# Altium PCB VAMoS Rev D.PcbDoc (part 4 of 4)
Units mil, origin at the board's own origin, x right, y up, seen from the top; angles counter-clockwise.
Board outline 3123.48 x 5025.48 mil, 4 copper layers (Top Signal Layer, Power Plane, Ground Plane, Bottom Signal Layer), stack 61.2 mil thick; 294 components, 124 nets, 789 pads, 1205 vias.
Unrouted connection lines stored in the file: 1.
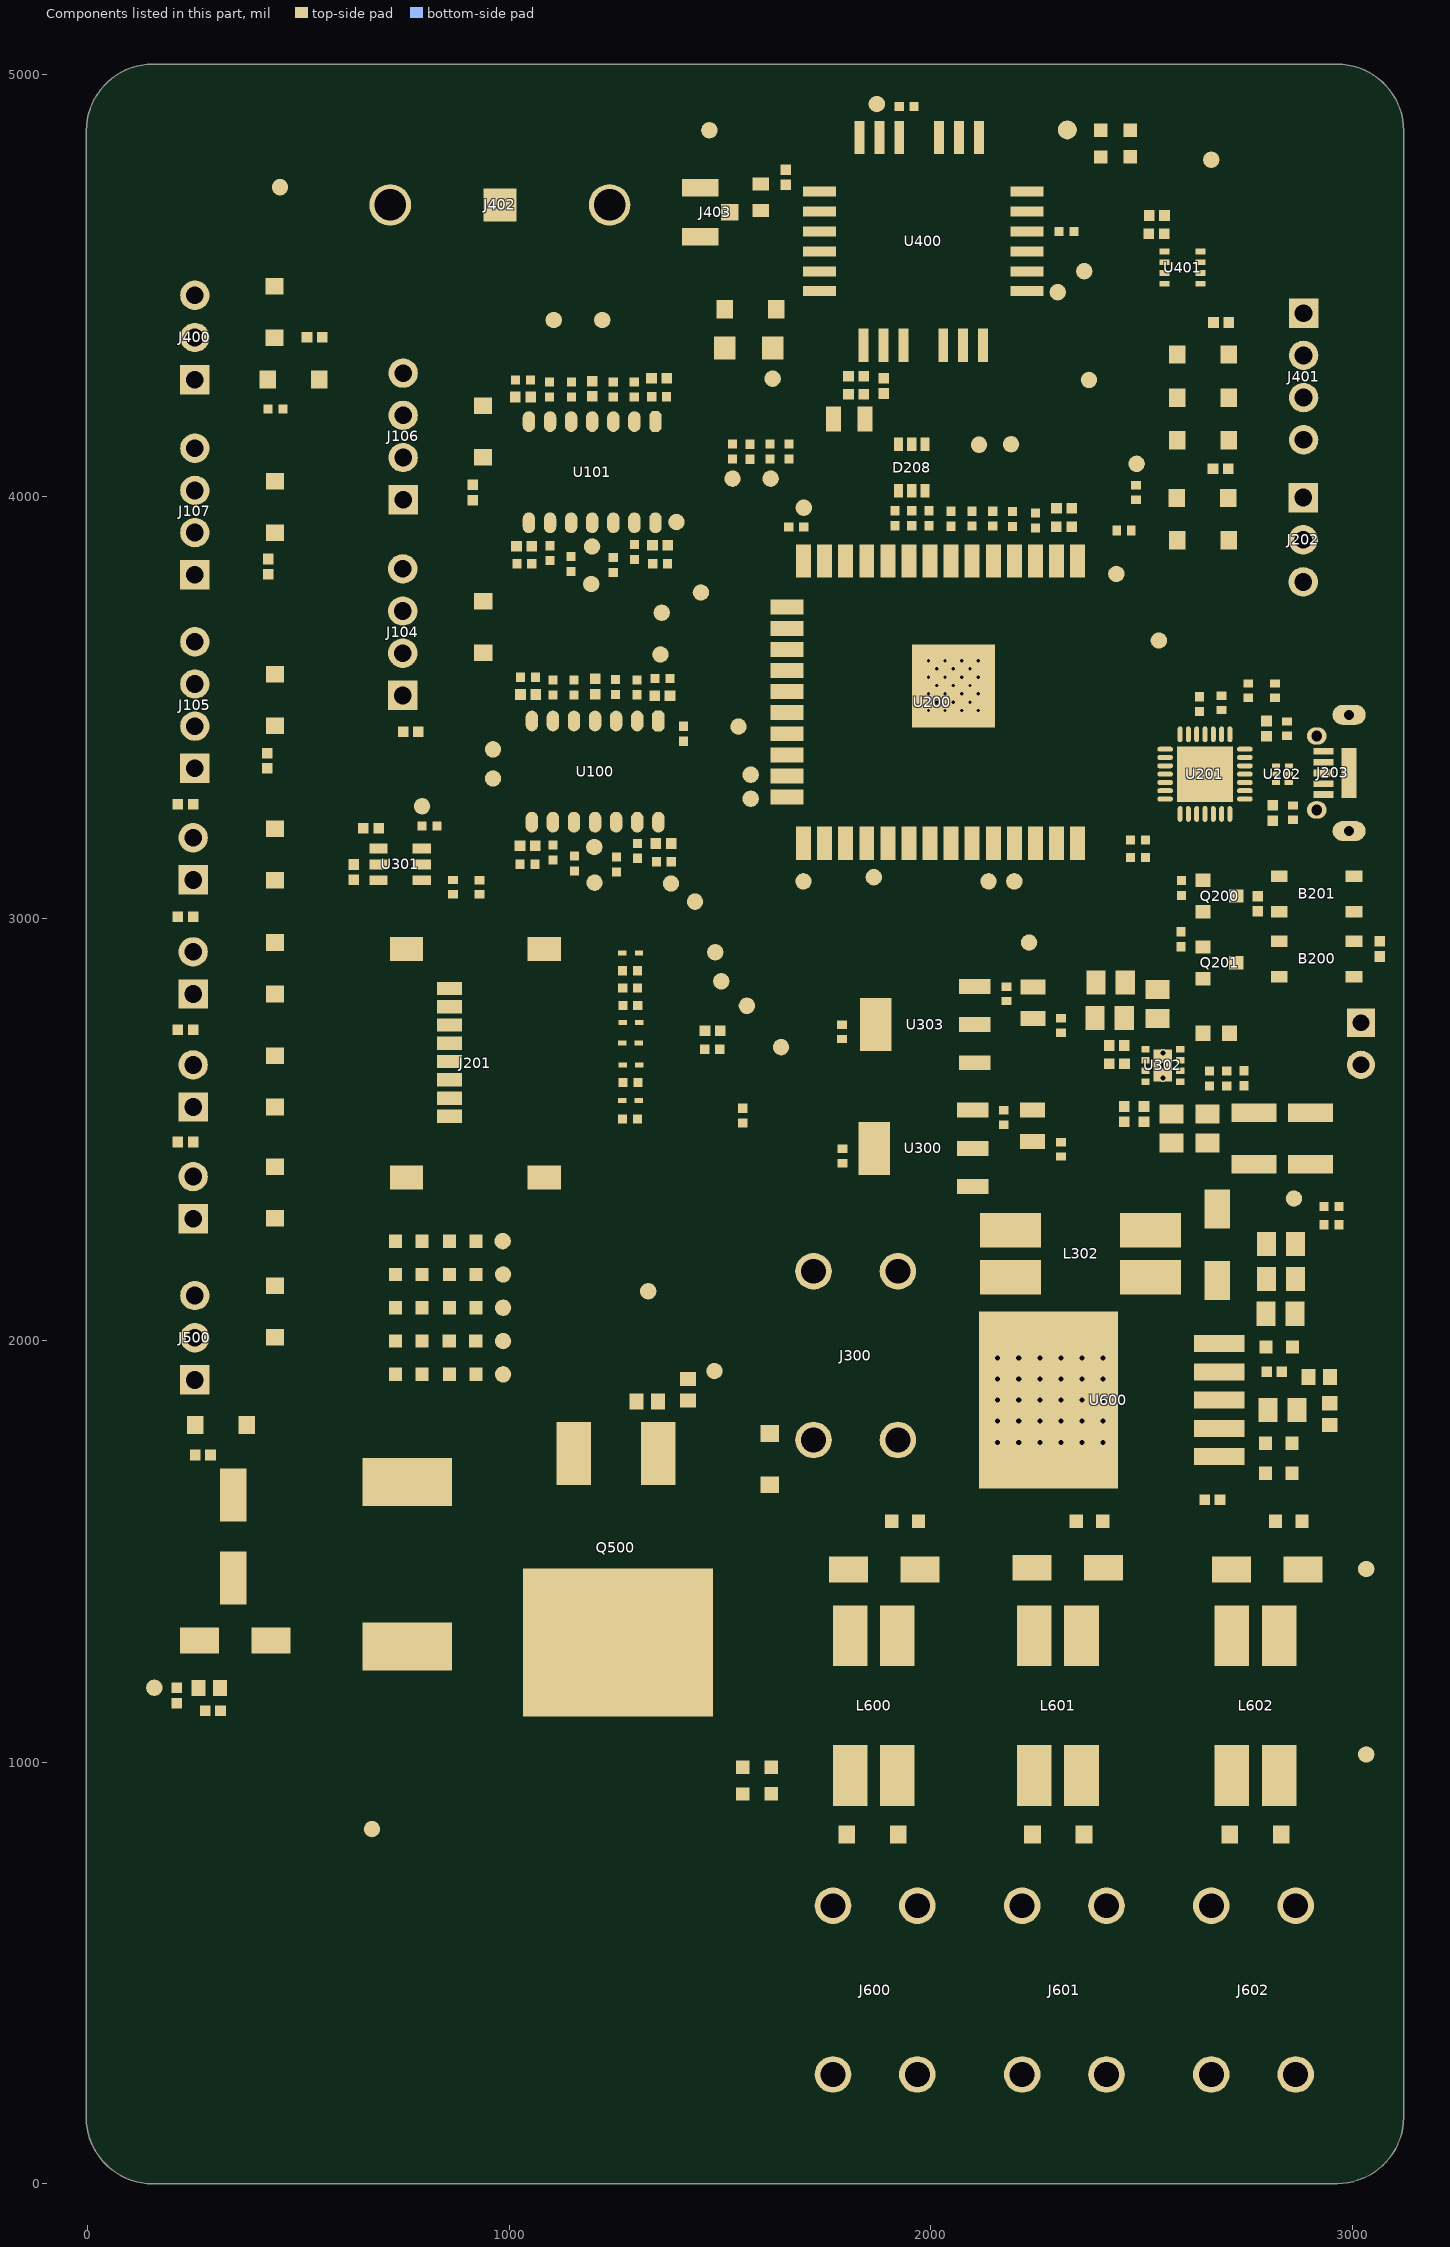
[diagram p6: the components of this part, seen from the top]

## Polygon pours and split planes (outlines as drawn) (continued)
+10V8 on Bottom Signal Layer "+10V8_BOT" (solid, pour order 58): 768,3142.49 768,2976 1161.65,2976 1277,2889.88 1277,2577.57 1496.7,2433.06 2415.27,2433.12 2532,2333.71 2532,1900 2662.11,1899.82 2663.74,2039.16 2914.17,2039.86 2914.57,2274 2913.85,2436.44 2735,2439 2627.37,2523 2627.37,2929 2424.16,2929 2424.16,2846.05 2180.58,2633 1550.47,2633 1485.28,2671.49 1485.28,2955.08 1249.79,3144.65
GND on Bottom Signal Layer "GND_BOT" (solid, remove dead copper, pour order 64): -2.48,5025.48 3121,5025.48 3121,0 -2.48,0
+10V8_ALPHS on Bottom Signal Layer "+10V8_ALPHS_BOT" (solid, pour order 46): 130.29,2338.01 381,2338 381,2969 381,2996 737,2996 737,3394 827,3394 827,3397 827,4044 149.07,4044
GND on Ground Plane "GND_INTERNAL" (solid, remove dead copper, pour order 34): -2.48,5025.48 3121,5025.48 3121,0.52 -2.48,0.52
+3V3 on Power Plane "3V3_INTERNAL" (solid, remove dead copper, pour order 30): -2,5025.48 3121,5025.48 3121,0 -2,0

## Silkscreen, mask and mechanical layers (free items; w line width, h text height)
Top Overlay:
  lines w15: 394,255 1179,256
  text "COIN CELL" at 968,4952 h39.37
  text "GPS_NRST" at 1610,4915 h30
  text "GND" at 1426,4902 h39.37
  text "GND" at 2614,4840 h39.37
  text "1PPS" at 2253,4794 h30
  text "GND" at 434,4778 h30
  text "EXT_RH" at 3038,4484 h39.37 r270
  text "+3V3 GPS VBACKUP" at 626,4448 h30 r90
  text "RTCM(RX)" at 2279,4419 h30
  text "S6" at 1139,4405 h30
  text "S7" at 1021,4403 h30
  text "RTCM(TX)" at 2278,4376 h30
  text "VBACKUP" at 1399,4268 h30
  text "GND" at 2264,4261 h30
  text "EXT_TEMP" at 100,4228 h39.37 r90
  text "ALPHS7" at 2041,4161 h30
  text "ALPHS6" at 2232,4151 h30
  text "SDA" at 2354,4091 h39.37
  text "EXT_LED" at 3036,4038 h39.37 r270
  text "GPS_TX" at 1652,4026 h30
  text "GPS_RX" at 1503,4025 h30 r90
  text "BOOT14" at 1503,3963 h30
  text "ALPHS5" at 1460,3922 h30 r90
  text "ALPHS7" at 602,3901 h39.37 r90
  text "ALPHS8" at 113,3845 h39.37 r90
  text "S8" at 1172.85,3826.08 h30
  text "SCL" at 2475,3798 h39.37
  text "S5" at 1170.85,3731.08 h30
  text "ALPHS8" at 1408,3713 h30
  text "GND" at 2503,3691 h30
  text "ALPHS3" at 1347,3666 h30
  text "ALPHS2" at 1400,3610 h30
  text "ALPHS5" at 603,3580 h39.37 r90
  text "GND" at 1502,3394 h30
  text "ALPHS6" at 116,3390 h39.37 r90
  text "S3" at 884,3385 h27.56
  text "S2" at 883,3317 h27.56
  text "ALPHS_EN" at 537,3304 h39.37
  text "BOOT23" at 1418,3224 h30
  text "BOOT24" at 1418,3181 h30
  text "S4" at 1177.85,3112.08 h30
  text "BOOT29" at 1897,3085 h30
  text "ALPHS1" at 1474,3056 h30
  text "ALPHS3" at 112,3032 h39.37 r90
  text "S1" at 1182.85,3028.08 h30
  text "BOOT25" at 1677,3026 h30
  text "ALPHS4" at 1474,3011 h30
  text "RX" at 2092,3008 h39.37
  text "TX" at 2181,3008 h39.37
  text "GND" at 2110,2922 h30
  text "MISO" at 1527,2902 h39.37
  text "CLK" at 1539,2834 h39.37
  text "MOSI" at 1611,2773 h39.37
  text "ALPHS4" at 108,2765 h39.37 r90
  text "CS" at 1678,2674 h39.37
  text "+3V3" at 1777,2599 h30
  text "+5V" at 1774,2548 h30
  text "ALPHS2" at 108,2492 h39.37 r90
  text "+10V8" at 2890.24,2346.07 h30
  text "ALPHS1" at 107,2234 h39.37 r90
  text "+10V8_ALPHS" at 1027.85,2214.06 h49.21
  text "+10V8" at 1024.85,2132.06 h49.21
  text "GND" at 1365,2102 h30
  text "+VIN" at 1652,2082 h49.21 r90
  text "+6V5" at 1025.85,2054.06 h49.21
  text "+5V" at 1025.85,1974.06 h49.21
  text "PUMP_PWM" at 1298,1972 h39.37
  text "+3V3" at 1025.85,1895.06 h49.21
  text "+PUMP-" at 108,1889 h39.37 r90
  text "+VBAT" at 3053,1184 h49.21 r90
  text "VCC_PUMP" at 121,1072 h30 r90
  text "GND" at 630,889 h39.37
  text "+VBAT" at 1500,870 h39.37 r90
  text "GND" at 3053,848 h49.21 r90
  text "VAMoS Rev. D" at 378.28,437.26 h78.74
  text "2019-08-24" at 409.87,307.79 h78.74
  text "Logocom Labs" at 402,133 h78.74
  text "+BAT2" at 2175,58 h49.21
  text "+BAT1" at 1727,57 h49.21
  text "+BAT3" at 2618,54 h49.21
Mechanical 1:
  circle w10: c2916,4812 r68.9
  circle w10: c225,4812 r68.9
  circle w10: c225,246 r68.9
  lines w10: -2.48,157.48 ccw(c155,157.48) 155,0 2963,0 ; -2,157.96 -2,4868 cw(c155.48,4868) 155.48,5025.48 2963.52,5025.48 cw(c2963.52,4868) 3121,4868 3121,158 cw(c2963.52,158) 2963.52,0.52